# KiCad board CamTracker.kicad_pcb (continued)
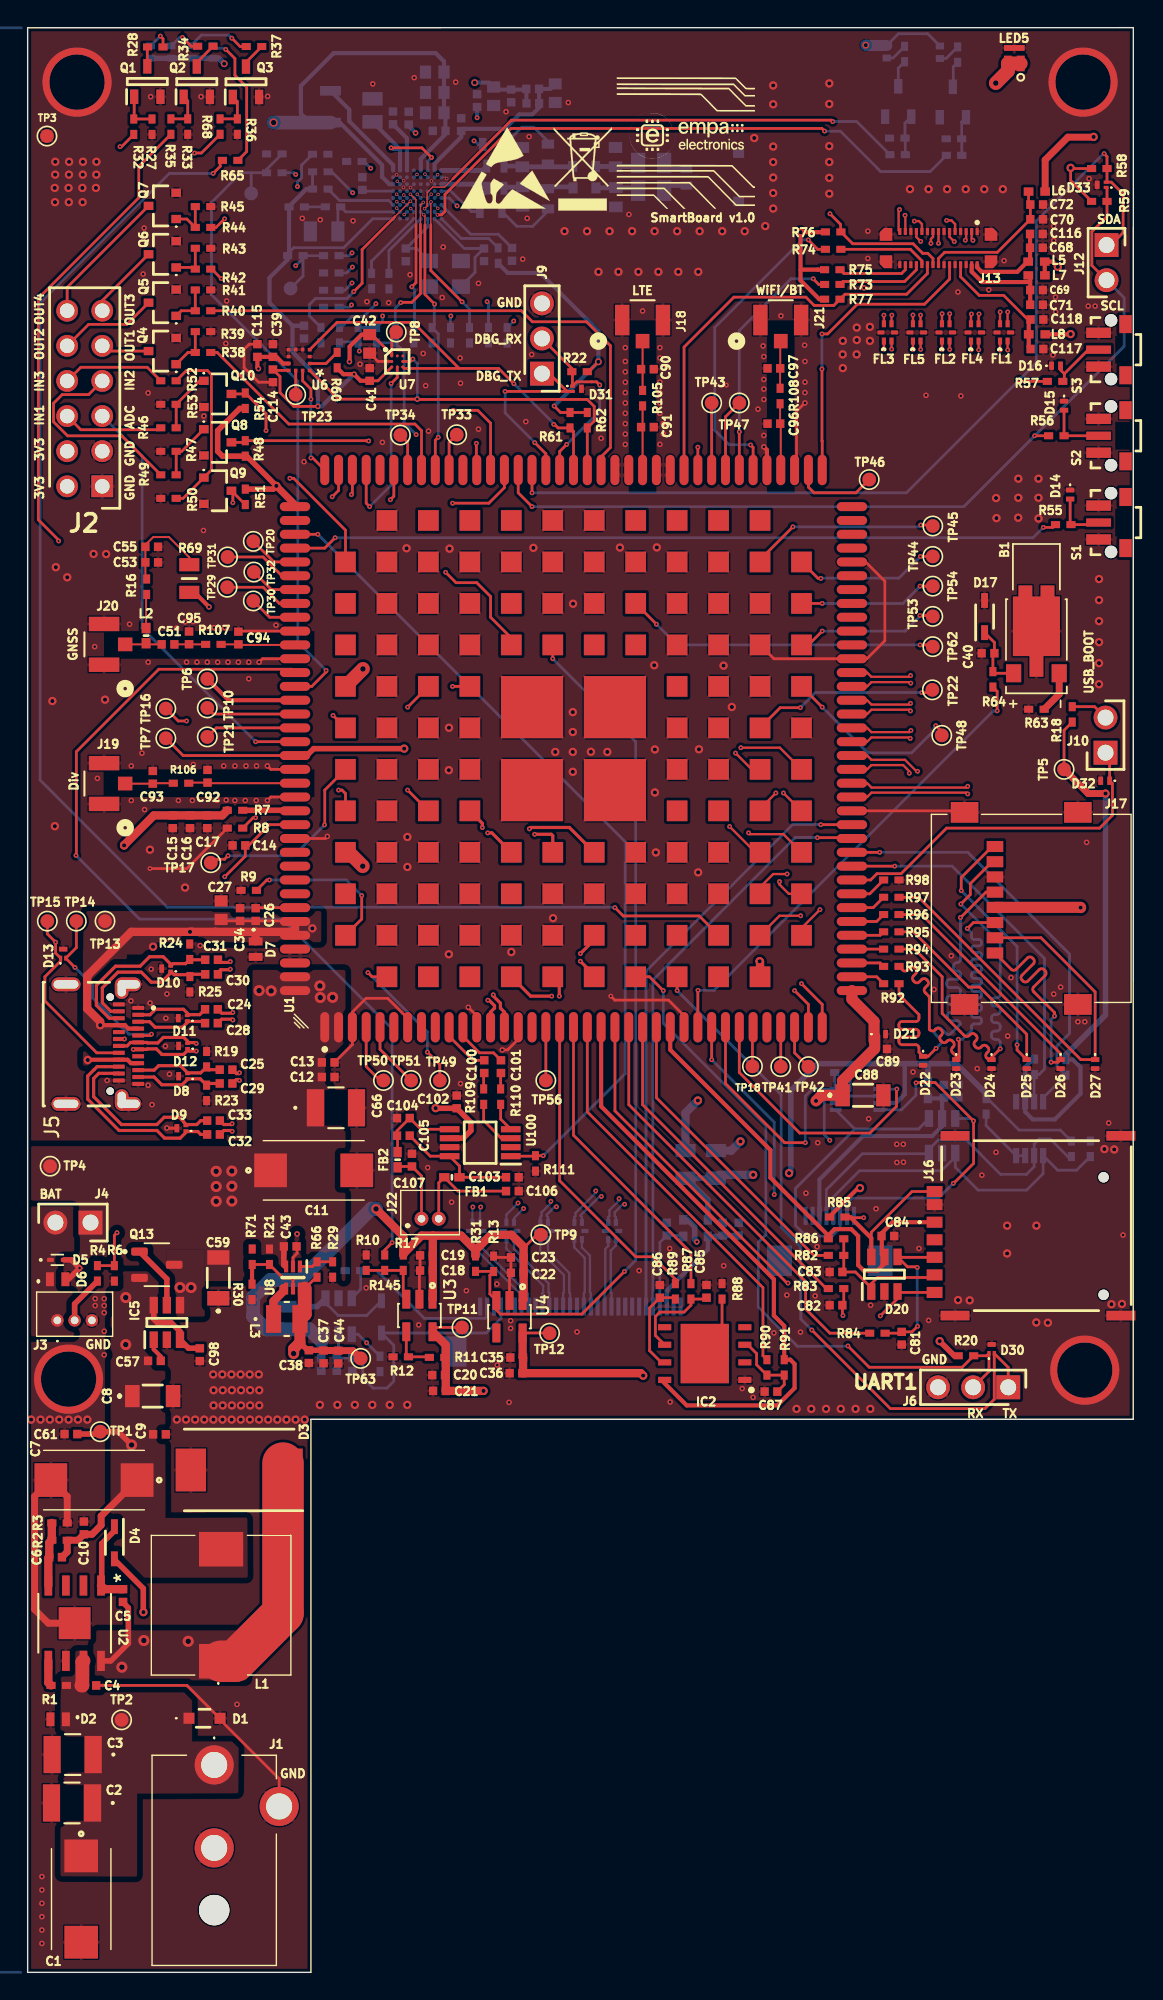
[diagram p0: board, top side]
## Routing (per net, layer and track width the routed paths; a pad name or vN(x,y) marks a point on that pad's centre or on a via; arc(x,y) is an arc through that point) (continued)
/Display/DSI_LN2_P: length 73.1
  Top w0.17: v3(63.89,91.78) 63.8,91.68 61.07,91.68 60.75,92 U1.59
  Signal w0.17: v3(63.89,91.78) 63.98,91.68 67.55,91.68 71.68,87.55 71.68,81.61 arc(71.55,81.27) 71.21,81.13 arc(71.13,81.1) 71.1,81.02 71.1,80.61 arc(71.13,80.53) 71.21,80.5 71.79,80.5 arc(72.13,80.36) 72.27,80.02 72.27,79.61 arc(72.13,79.27) 71.79,79.13 71.21,79.13 arc(71.13,79.1) 71.1,79.02 71.1,78.61 arc(71.13,78.53) 71.21,78.5 71.79,78.5 arc(72.13,78.36) 72.27,78.02 72.27,77.61 arc(72.13,77.27) 71.79,77.13 71.21,77.13 arc(71.13,77.1) 71.1,77.02 71.1,76.61 arc(71.13,76.53) 71.21,76.5 71.79,76.5 arc(72.13,76.36) 72.27,76.02 72.27,75.61 arc(72.13,75.27) 71.79,75.13 arc(71.72,75.1) 71.68,75.02 71.68,73.91 59.08,61.31 46.58,61.31 41.51,56.24 v3(41.51,56.11)
  Bottom w0.165: FL8.2 40.11,54.61 40.03,54.7 40.03,54.76 41.38,56.11 v3(41.51,56.11)
/Display/DSI_LN3_N: length 73
  Top w0.165: v3(63.91,93.23) 63.84,93.31 61.06,93.31 60.75,93 U1.60
  Signal w0.165: v3(42.8,55.95) 42.93,55.95 43.14,56.16 arc(43.19,56.27) 43.14,56.38 arc(43.1,56.49) 43.14,56.6 43.35,56.81 arc(43.46,56.85) 43.56,56.81 arc(43.67,56.76) 43.78,56.81 46.17,59.19 60.42,59.19 73.81,72.58 73.81,74.67
  Signal w0.17: 73.81,74.67 73.81,89.32 69.81,93.32 63.99,93.32 v3(63.91,93.23)
  Bottom w0.165: v3(42.8,55.95) 42.8,55.82 42.1,55.12 42.1,54.7 42.02,54.61 FL7.1
/Display/DSI_LN3_P: length 73.3
  Top w0.165: U1.61 60.75,94 61.06,93.69 63.8,93.69 v3(63.9,93.78)
  Signal w0.17: v3(63.9,93.78) 63.99,93.69 69.96,93.69 74.19,89.46 74.19,72.42 60.58,58.81 46.33,58.81 43.2,55.68 v3(43.2,55.55)
  Bottom w0.165: v3(43.2,55.55) 43.07,55.55 42.49,54.96 42.49,54.7 42.57,54.61 FL7.2
/Display/IOVCC: length 6.6
  Bottom w0.2: J14.27 45.75,52.79 C78.2 47.37,53.29 L11.2
/Display/LED1-: length 13.6
  Bottom w0.2: U9.3 24.1,49.4 R79.1 25.25,50.75 28.7,47.3 33.1,47.3 33.25,47.45 J14.2
/Display/LED+: length 21.4
  Bottom w0.2: J14.4 34.25,47.3 33.19,46.24 D18.1 26.5,45.34 26.5,42.75 26,42.25 25,42.25 24.25,43 24.25,44 23.83,44.42 C74.1 C75.1 22.5,44.54 U9.5
/Display/PWM: length 52.5
  Top w0.2: U1.29 v3(49.5,66)
  Signal w0.2: v3(54.03,56.25) 54.03,53.11 46.45,45.53 v3(24.53,45.53)
  Bottom w0.2: R78.1 v3(24.53,45.53) 23.91,46.15 U9.4 ; v3(49.5,66) 54.03,61.47 v3(54.03,56.25)
/Display/RESET: length 42.3
  Top w0.2: v3(57.15,82.06) 59.59,82.06 U1.49
  Bottom w0.2: J14.26 45.25,71.77 55.56,82.08 57.13,82.08 v3(57.15,82.06)
/Display/TE: length 43.5
  Top w0.2: v3(57.4,83) U1.50
  Bottom w0.2: J14.25 44.75,72.4 55.36,83.01 57.39,83.01 v3(57.4,83)
/Display/TP_INT: length 18.6
  Top w0.2: U1.30 50.5,64.28 54.78,60 v3(56.28,60)
  Bottom w0.2: R81.2 58.41,63.94 IC4.4 56.78,63.88 56.28,63.38 v3(56.28,60)
/Display/TP_RST: length 19.8
  Top w0.2: v3(62.9,63.88) 62.88,63.85 62.88,62.62 60.95,60.7 55.88,60.7 51.5,65.08 U1.31
  Bottom w0.2: v3(62.9,63.88) IC4.5
/Display/TP_SCL: length 27.6
  Top w0.2: v3(62.75,80) U1.47
  Bottom w0.2: 72.84,62.96 72.84,64.9 R149.2 73.19,64.93 73.59,65.33 73.59,73.31 66.9,80 v3(62.75,80)
/Display/TP_SDA: length 30.8
  Top w0.2: v3(61.66,81) U1.48
  Bottom w0.2: IC3.4 73.49,63.25 R148.2 74.48,65.54 74.48,66.98 75.4,67.9 75.4,73.64 68.04,81 v3(61.66,81)
/Display/VCI: length 8.6
  Bottom w0.3: J14.28 46.25,49.3 49.22,52.27 L10.2
  Bottom w0.4: L10.2 50.22,53.22 C76.2 C77.2
/Interfaces/ADC: length 31
  Top w0.2: U1.128 v3(16.5,89)
  Bottom w0.2: J2.5 8.28,109.67 8.28,97.22 v3(16.5,89)
/Interfaces/GPIO_31: length 25.5
  Top w0.2: Q10.3 15.68,114.15 R54.2 17.25,112.72 v3(17.25,111.5) ; U1.97 34.5,107.38 33.38,106.25 v3(30.75,106.25)
  Signal w0.2: v3(17.25,111.5) 21.78,111.5 27.03,106.25 v3(30.75,106.25)
/Interfaces/GPIO_32: length 20.8
  Top w0.2: v3(24.68,110.75) 24.53,110.75 24.51,110.77 R48.2 15.63,110.65 Q8.3 ; v3(32.47,110.58) 32.47,108.68 U1.99
  Signal w0.2: v3(24.68,110.75) 25.93,112 31.05,112 v3(32.47,110.58)
/Interfaces/GPIO_33: length 13.3
  Top w0.2: U1.108 23.5,106.94 v3(23.43,106.87) ; R51.2 Q9.3 14.85,107.05 v3(14.85,106.28)
  Signal w0.2: v3(14.85,106.28) 15.26,105.87 22.43,105.87 v3(23.43,106.87)
/Interfaces/GPIO_103: length 20.4
  Top w0.2: U1.103 28.5,111.5 28.03,111.97 18.9,111.97 13.72,117.15 R38.2
/Interfaces/GPIO_106: length 39.2
  Top w0.2: U1.90 41.5,109.6 42.17,110.28 42.17,117.63 40.44,119.37 36.53,119.37 35.74,120.16 R40.2
/Interfaces/GPIO_107: length 28.3
  Top w0.2: v3(30.8,112.96) 32.58,112.96 33.5,112.04 U1.98 ; R42.2 13.26,123.19 13.31,123.19 v3(14.01,122.49)
  Signal w0.2: v3(14.01,122.49) 14.07,122.49 23.6,112.96 v3(30.8,112.96)
/Interfaces/GPIO_112: length 32.6
  Top w0.2: v3(14.25,126.81) 13.63,126.19 R44.2 ; U1.177 23,104.3 19.25,108.05 v3(18.97,108.05)
  Signal w0.2: v3(18.97,108.05) 18.5,108.05 11.3,115.25 11.3,123.92 14.19,126.82 14.25,126.82 v3(14.25,126.81)
/Interfaces/IN1: length 7.2
  Top w0.2: R46.2 9.49,111.56 3.85,111.56 J2.6
/Interfaces/IN2: length 14.9
  Top w0.2: R49.2 6.81,111.12 2.89,111.12 1.87,112.14 1.87,113.47 2.5,114.1 4.41,114.1 J2.7
/Interfaces/IN3: length 7.6
  Top w0.2: R52.2 8.65,116.08 3.85,116.08 J2.8
/Interfaces/LED1: length 69.3
  Top w0.2: U1.267 v3(30.75,93) ; R32.2 6.8,132.03 v3(6.69,132.03)
  Signal w0.2: v3(30.75,93) 8.82,93 0.79,101.03 0.79,123.13 6.69,129.03 v3(6.69,132.03)
/Interfaces/LED2: length 71.1
  Top w0.2: U1.265 35,96.5 33.5,98 33.5,99.5 32.5,100.5 31,100.5 v3(30.25,101.25) ; 10.35,132.93 10.36,132.93 8.04,130.6 8.04,128.33 0.77,121.06 0.77,105.05 2.24,103.58 v3(2.24,103.52)
  Signal w0.2: v3(2.24,103.52) 4.53,101.23 30.23,101.23 v3(30.25,101.25)
/Interfaces/LED3: length 60.6
  Top w0.2: v3(12.08,131.57) 12.09,131.57 12.58,131.57 13.92,132.93 ; v3(26.25,106.5) 26.5,106.75 U1.105
  Signal w0.2: v3(12.08,131.57) 10.86,131.57 1.65,122.36 1.65,106.7 3.53,104.82 24.57,104.82 v3(26.25,106.5)
/Interfaces/OUT1: length 3.5
  Top w0.2: J2.9 5.78,117.25 Q4.3
/Interfaces/OUT2: length 7.2
  Top w0.2: Q5.3 7.18,119.18 4.41,119.18 J2.10
/Interfaces/OUT3: length 5.5
  Top w0.2: Q6.3 5.4,120.9 J2.11
/Interfaces/OUT4: length 10
  Top w0.2: Q7.3 2.86,121.86 J2.12
/Interfaces/PWRKEY: length 55.7
  Top w0.2: v3(22.25,103.75) 21.5,103 U1.114 ; v3(73.5,104.5) 74.18,104.5 R55.1
  Bottom w0.2: v3(22.25,103.75) 72.75,103.75 v3(73.5,104.5)
/Interfaces/VOL_DOWN/I2C_SCL: length 64.7
  Top w0.2: U1.96 35.5,107 v3(36.5,106) ; D33.1 78.11,129.02 R59.2 78.11,126.98 77.01,125.89 77.01,123.44 J12.2 ; v3(72.88,111.12) R56.1
  Bottom w0.2: v3(36.5,106) 67.75,106 v3(72.88,111.12) 79.35,117.6 79.35,121.1 J12.2
/Interfaces/VOL_UP/I2C_SDA : length 69
  Top w0.2: 78.38,124.92 79.28,125.81 79.28,128.61 78.42,129.47 D33.2 78.11,129.53 R58.2 78.11,131.32 v3(77.9,131.53) ; R57.1 71.85,115.06 v3(71.75,115.16) ; v3(36.5,107) U1.95
  Bottom w0.2: 77.82,131.5 72.99,126.66 72.99,116.4 v3(71.75,115.16) 63.59,107 v3(36.5,107)
/NFC_PN7220/I2C2_IRQ: length 5
  Bottom w0.2: R144.2 33.36,125.4 31.37,125.4 IC1.H8
/NFC_PN7220/I2C2_SCL: length 6.2
  Signal w0.2: v3(23.53,128.7) 26.06,128.7 v5(26.71,128.06)
  Bottom w0.1: 26.94,127.82 v5(26.71,128.06)
  Bottom w0.2: v3(23.53,128.7) 22.01,130.22 R142.2 ; IC1.B6 26.94,127.82
/NFC_PN7220/I2C2_SDA: length 5.2
  Bottom w0.2: R125.2 22.56,128.14 26.13,128.14 IC1.A6
/NFC_PN7220/I2C2_WAKEUP: length 10
  Signal w0.2: v3(23.44,120.59) 27.72,124.87 v5(27.72,127.56)
  Bottom w0.1: 27.95,127.33 v5(27.72,127.56)
  Bottom w0.2: v3(23.44,120.59) 23.28,120.42 R124.1 ; IC1.D7 27.95,127.33
/NFC_PN7220/NFC_DWL_REQ: length 1.5
  Bottom w0.2: R121.2 21.53,127.67 R123.1
/NFC_PN7220/NFC_LED1: length 42.2
  Top w0.2: v3(57.67,133.16) 57.48,133.35 34.97,133.35 30.2,128.57 30.2,127.34 29.96,127.1 v5(29.65,127.1)
  Bottom w0.1: IC1.G7 29.45,127.3 v5(29.65,127.1)
  Bottom w0.2: v3(57.67,133.16) 57.68,133.15 58.81,133.15 61.73,130.23 65.3,130.23 R70.2
/NFC_PN7220/NFC_LED2: length 38.3
  Top w0.1: 30.77,129.71 30.17,129.11 29.3,129.11 28.91,128.72 28.91,127.73 v5(28.72,127.55)
  Top w0.2: 30.77,129.71 35.01,133.95 58.16,133.95 v3(58.26,133.85)
  Bottom w0.1: IC1.F7 28.95,127.33 v5(28.72,127.55)
  Bottom w0.2: v3(58.26,133.85) 59.99,133.85 R118.2
/Power/ANODE: length 18.6
  Top w0.4: v6(7.52,38.14) 6.56,39.1 TP1.1 5.08,38.93 C61.1 ; C98.1 12.45,45.13 11.64,45.13 IC5.3 11.03,46.35 10.4,46.97 9.4,46.97 9.12,47.25 IC5.6
  Top w0.5: C6.1 2.87,30.41 R2.1 3.64,31.25 C10.1 4.66,31.68 5.32,32.34 5.32,33 C7.1
  vias: v6(7.1,48.8) v6(7.1,45.4)
/Power/BAT_THERM: length 39.8
  Top w0.2: v3(6.47,53.49) 6.28,53.3 R6.1 R4.2 ; U1.134 17.5,83 16,81.5 C14.2 15.75,80.72 v3(14.27,79.23)
  Signal w0.2: v3(6.47,53.49) 10.75,57.77 10.75,75.75 14.23,79.23 v3(14.27,79.23)
/SIM_SD/SD_LDO4: length 2.8
  Top w0.2: U1.32 52.45,68.3 TP18.1
/SIM_SD/USIM1_DET: length 44.1
  Top w0.2: 65.6,56.5 J16.CD1 64,56.47 61.05,53.52 D20.6 ; v3(55.03,49.85) 54.95,49.85 42.5,62.3 U1.22 ; R85.2 59.2,54.58 v3(60.5,54.58)
  Top w0.3: R85.2 59.53,54.62 61.05,53.1 D20.6
  Signal w0.2: v3(60.5,54.58) 55.78,49.85 v3(55.03,49.85)
/SIM_SD/USIM1_VDD: length 33.7
  Top w0.3: J16.C1 62.6,54.25 61.79,53.44 C84.1 61.81,53.23 61.81,51.93 D20.5 62,51.25 61.5,50.75 60.5,50.75 60.1,51.15 60.1,53.25 59.6,53.75 58.4,53.75 57.94,53.29 R86.1 57.94,53.28 53.75,57.47 53.75,59.47 46.5,66.72 U1.26
/SIM_SD/USIM2_CLK: length 22.1
  Top w0.2: U1.19 39.5,60.54 48,52.04 R87.2
/SIM_SD/USIM2_DATA: length 29.4
  Top w0.2: U1.20 40.5,62.23 53.21,49.52 53.21,44.6 R90.2
/SIM_SD/USIM2_RST: length 22.7
  Top w0.2: R89.2 46.88,50.12 45.25,51.75 44,51.75 38.5,57.25 U1.18
/SIM_SD/USIM2_VDD: length 43.1
  Top w0.3: 45.85,42.84 47.69,41 54.25,41 55.5,42.25 55.5,44 55.19,44.31 R91.2 54.75,46.75 54,47.5 54,50.12 41.5,62.62 U1.21
/USB_UARTs/CC1: length 44.5
  Top w0.2: v3(3.42,72.67) 2.77,73.33 D13.2 3.52,74.11 TP14.1 ; v3(8.96,67.85) 8.86,67.75 J5.A5 ; U1.249 v3(27.5,85.5)
  Signal w0.2: v3(27.5,85.5) 23.58,81.58 12.33,81.58 v3(3.42,72.67)
  Bottom w0.2: v3(3.42,72.67) 4.7,71.4 4.7,70.47 7.33,67.85 8.96,67.85 v3(8.96,67.85)
/USB_UARTs/CC2: length 51.7
  Top w0.2: TP15.1 1.42,75.1 v3(2.02,74.5) 2.02,73.71 2.38,73.35 2.38,73.14 1.25,72 1.25,70.25 5,66.5 J5.B5 ; U1.246 v3(27.5,91.5)
  Signal w0.2: v3(2.02,74.5) 2.02,80.5 9.61,88.09 24.09,88.09 v3(27.5,91.5)
/USB_UARTs/USB_D_N: length 33.9
  Top w0.23: 8.55,66.75 v3(7.64,66.75) ; v3(7.64,66.75) J5.A7 ; v3(7.64,66.75) 8.64,66.75 8.67,66.79 9.31,66.79 9.72,66.38 11.28,66.38 11.58,66.67 11.58,66.76 11.71,66.62 v3(12.2,66.62) ; v3(7.01,67.5) 6.6,67.5 J5.B7 ; U1.13 33.5,69.45 33.79,69.74 33.79,69.91 33.39,70.31 v3(33.31,70.31)
  Signal w0.23: v3(12.2,66.62) 12.26,66.69 12.55,66.69 arc(12.72,66.61) 12.79,66.45 12.79,66.41 arc(12.86,66.24) 13.03,66.17 13.15,66.17 arc(13.32,66.24) 13.39,66.41 13.39,66.45 arc(13.46,66.61) 13.63,66.69 24.39,66.69 28.69,70.99 32.71,70.99 33.31,70.39 v3(33.31,70.31) ; v3(7.64,66.75) 7.64,66.76 7.01,67.39 v3(7.01,67.5)
/USB_UARTs/USB_D_P: length 32.4
  Top w0.23: v3(33.69,70.69) 33.69,70.61 34.21,70.09 34.21,69.74 34.5,69.45 U1.14 ; v3(12.2,67.17) 12.14,67.24 11.58,67.24 11.58,67.34 11.3,67.61 9.81,67.61 9.41,67.21 8.67,67.21 8.64,67.25 J5.A6 7.45,67.25 7.2,67 J5.B6
  Signal w0.23: v3(12.2,67.17) 12.26,67.11 24.21,67.11 28.51,71.41 32.89,71.41 33.61,70.69 v3(33.69,70.69)
/USB_UARTs/USB_SS1_RX_N: length 25.8
  Top w0.23: 13.76,73.35 13.76,73.24 13.96,73.04 14.6,73.04 v3(14.66,73.1) ; U1.270 32.91,83.09 v3(32.91,82.79)
  Signal w0.23: v3(32.91,82.79) 32.91,82.71 23.23,73.04 19.29,73.04 arc(18.9,72.88) 18.74,72.49 arc(18.7,72.41) 18.62,72.37 18.29,72.37 arc(18.2,72.41) 18.17,72.49 arc(18.01,72.88) 17.62,73.04 14.72,73.04 v3(14.66,73.1)
/USB_UARTs/USB_SS1_RX_P: length 27
  Top w0.23: v3(14.66,72.55) 14.62,72.51 13.97,72.51 13.76,72.3 ; v3(33.29,82.41) 33.59,82.41 U1.252
  Signal w0.23: v3(14.66,72.55) 14.72,72.61 14.83,72.61 arc(14.91,72.57) 14.94,72.49 arc(14.97,72.41) 15.06,72.38 15.43,72.38 arc(15.51,72.41) 15.54,72.49 arc(15.57,72.57) 15.66,72.61 17.62,72.61 arc(17.7,72.57) 17.74,72.49 arc(17.9,72.1) 18.29,71.94 18.62,71.94 arc(19.01,72.1) 19.17,72.49 arc(19.2,72.57) 19.29,72.61 23.41,72.61 33.21,82.41 v3(33.29,82.41)
/USB_UARTs/USB_SS1_TX_N: length 33.6
  Top w0.23: U1.253 38,82.2 37.89,82.31 v3(36.69,82.31) ; C28.1 14.05,68.93 14.79,68.93 v3(14.85,68.87)
  Signal w0.23: v3(36.69,82.31) 36.61,82.31 23.24,68.93 19.91,68.93 arc(19.74,68.86) 19.67,68.69 19.67,68.66 arc(19.6,68.49) 19.43,68.42 19.31,68.42 arc(19.14,68.49) 19.07,68.66 19.07,68.69 arc(19,68.86) 18.83,68.93 18.71,68.93 arc(18.54,68.86) 18.47,68.69 18.47,68.66 arc(18.4,68.49) 18.23,68.42 18.11,68.42 arc(17.94,68.49) 17.87,68.66 17.87,68.69 arc(17.8,68.86) 17.63,68.93 17.51,68.93 arc(17.34,68.86) 17.27,68.69 17.27,68.66 arc(17.2,68.49) 17.03,68.42 16.91,68.42 arc(16.74,68.49) 16.67,68.66 16.67,68.69 arc(16.6,68.86) 16.43,68.93 16.31,68.93 arc(16.14,68.86) 16.07,68.69 16.07,68.66 arc(16,68.49) 15.83,68.42 15.71,68.42 arc(15.54,68.49) 15.47,68.66 15.47,68.69 arc(15.4,68.86) 15.23,68.93 14.91,68.93 v3(14.85,68.87)
/USB_UARTs/USB_SS1_TX_P: length 33.8
  Top w0.23: C24.1 14.05,69.36 14.79,69.36 v3(14.85,69.42) ; U1.254 39.2,82.8 36.41,82.8 v3(36.31,82.69)
  Signal w0.23: v3(36.31,82.69) 36.31,82.61 23.06,69.36 14.91,69.36 v3(14.85,69.42)
/USB_UARTs/USB_SS2_RX_N: length 39.2
  Top w0.23: C25.1 15.1,65 15.27,65 v3(15.33,65.06) ; U1.192 41,74.67 v3(40,73.67)
  Signal w0.23: v3(15.33,65.06) 15.39,65 15.74,65 15.76,65.02 17.1,65.02 arc(17.64,64.79) 17.86,64.26 17.86,63.81 arc(17.96,63.58) 18.19,63.48 18.46,63.48 arc(18.7,63.58) 18.79,63.81 18.79,64.26 arc(19.02,64.79) 19.55,65.02 19.82,65.02 arc(20.36,64.79) 20.58,64.26 20.58,63.81 arc(20.68,63.58) 20.91,63.48 21.18,63.48 arc(21.42,63.58) 21.51,63.81 21.51,64.26 arc(21.74,64.79) 22.27,65.02 22.54,65.02 arc(23.08,64.79) 23.3,64.26 23.3,63.81 arc(23.4,63.58) 23.63,63.48 23.9,63.48 arc(24.14,63.58) 24.23,63.81 24.23,64.26 arc(24.46,64.79) 24.99,65.02 25.26,65.02 arc(25.8,64.79) 26.02,64.26 26.02,63.81 arc(26.12,63.58) 26.35,63.48 26.62,63.48 arc(26.86,63.58) 26.95,63.81 26.95,64.26 arc(27.18,64.79) 27.71,65.02 29.81,65.02 38.41,73.61 39.94,73.61 v3(40,73.67)
/USB_UARTs/USB_SS2_RX_P: length 39
  Top w0.23: v3(15.33,64.51) 15.27,64.57 15.1,64.57 C29.1 ; U1.152 41,72.12 v3(40,73.12)
  Signal w0.23: v3(40,73.12) 39.94,73.18 38.59,73.18 29.99,64.58 27.71,64.58 arc(27.48,64.49) 27.38,64.26 27.38,63.81 arc(27.16,63.27) 26.62,63.05 26.35,63.05 arc(25.82,63.27) 25.59,63.81 25.59,64.26 arc(25.5,64.49) 25.26,64.58 24.99,64.58 arc(24.76,64.49) 24.66,64.26 24.66,63.81 arc(24.44,63.27) 23.9,63.05 23.63,63.05 arc(23.1,63.27) 22.87,63.81 22.87,64.26 arc(22.78,64.49) 22.54,64.58 22.27,64.58 arc(22.04,64.49) 21.94,64.26 21.94,63.81 arc(21.72,63.27) 21.18,63.05 20.91,63.05 arc(20.38,63.27) 20.15,63.81 20.15,64.26 arc(20.06,64.49) 19.82,64.58 19.55,64.58 arc(19.32,64.49) 19.22,64.26 19.22,63.81 arc(19,63.27) 18.46,63.05 18.19,63.05 arc(17.66,63.27) 17.43,63.81 17.43,64.26 arc(17.34,64.49) 17.1,64.58 15.94,64.58 15.92,64.57 15.39,64.57 v3(15.33,64.51)
/USB_UARTs/USB_SS2_TX_N: length 31.5
  Top w0.23: v3(38.47,70.6) 38.47,71.53 U1.151 ; v3(14.8,60.82) 14.74,60.88 14.2,60.88 C32.2
  Signal w0.23: v3(38.47,70.6) 38.41,70.54 38.41,68.61 30.69,60.88 14.86,60.88 v3(14.8,60.82)
/USB_UARTs/USB_SS2_TX_P: length 32.7
  Top w0.23: v3(14.8,61.37) 14.74,61.31 14.2,61.31 C33.2 ; v3(37.92,70.6) 36.4,70.6 U1.150
  Signal w0.23: v3(37.92,70.6) 37.99,70.54 37.99,68.79 30.51,61.31 14.86,61.31 v3(14.8,61.37)
/USB_UARTs/USB_SS_RX1_N: length 12.7
  Top w0.23: C31.1 11.75,73.23 R24.2 11.43,72.95 10.52,72.95 D10.2 10.35,72.91 9.81,73.45 8.83,73.45 8.14,72.76 6.36,72.76 4.98,71.38 4.98,69.94 5.91,69 J5.B10
/USB_UARTs/USB_SS_RX1_P: length 11.3
  Top w0.23: C30.1 11.9,72.18 R25.2 11.61,72.15 10.6,72.15 10.4,72.35 10.32,72.35 10.32,72.25 9.68,71.61 8.95,71.61 8.23,72.33 6.54,72.33 5.41,71.2 5.41,70.11 6.02,69.5 J5.B11
/USB_UARTs/USB_SS_RX2_N: length 6.5
  Top w0.23: C25.2 13.15,65.28 R19.1 12.52,65.05 11.58,65.05 11.06,65.57 9.48,65.57 9.16,65.25 J5.A10
/USB_UARTs/USB_SS_RX2_P: length 6.5
  Top w0.23: J5.A11 9.15,64.75 9.71,64.19 11.17,64.19 11.58,64.59 ; C29.2 13.08,64.28 R23.1 12.49,64.62 D8.1
/USB_UARTs/USB_SS_TX1_N: length 5.3
  Top w0.23: J5.A3 8.83,68.75 9.22,68.35 11.21,68.35 11.55,68.69 11.55,68.77 12.72,68.77 C28.2
/USB_UARTs/USB_SS_TX1_P: length 5.3
  Top w0.23: J5.A2 8.85,69.25 9.25,69.65 11.28,69.65 11.67,69.26 12.45,69.26 C24.2
/USB_UARTs/USB_SS_TX2_N: length 14.3
  Top w0.23: C32.1 12.52,60.6 12.32,60.81 11.52,60.81 11.04,60.33 9.91,60.33 9.36,60.88 6.61,60.88 4.35,63.15 4.35,64.82 4.81,65.28 4.81,65.28 5.02,65.5 J5.B3
/USB_UARTs/USB_SS_TX2_P: length 12.9
  Top w0.23: J5.B2 6.58,65.02 5.15,65.02 4.77,64.64 4.77,63.33 6.79,61.31 9.35,61.31 9.88,61.84 10.96,61.84 11.29,61.51 11.29,61.5 11.48,61.31 12.24,61.31 12.52,61.6 C33.1
ACCL_INT: length 7.9
  Top w0.2: v3(20.5,109.52) 20.63,109.52 U1.110 ; U6.12 19.9,115.1 20.5,114.5 v3(20.5,113.78)
  Bottom w0.2: v3(20.5,113.78) v3(20.5,109.52)
AUDIO_EN: length 60.6
  Top w0.2: v3(21,104) U1.113 ; U100.1 36.72,59.03 ; v3(37.31,59.06) R111.1
  Bottom w0.2: v3(21,104) 43.24,81.76 43.24,64.99 v3(37.31,59.06)
CAM0_1V1_EN: length 63.2
  Top w0.2: R31.2 33.71,50.69 R13.1 33.45,50.41 33.45,49.06 U4.3 33.92,47.91 34.22,47.6 40.1,47.6 v3(43.19,50.69) ; U1.264 v3(38,95)
  Bottom w0.2: v3(38,95) 44,89 44,51.5 v3(43.19,50.69)
CHG_LED: length 106.1
  Top w0.2: v3(42.5,77) 43.1,76.4 48.6,76.4 U1.195 ; v3(13.42,130.1) 13.94,130.61 13.94,131.03 13.94,131.04 R65.2
  Bottom w0.2: v3(13.42,130.1) 10.26,130.1 0.9,120.74 0.9,86.23 10.1,77.03 42.38,77.03 42.46,76.95 42.48,76.95 42.53,77 v3(42.5,77)
Flash LED: length 70.7
  Top w1: LED5.1 LED5.2 70.94,137.51 v6(70.06,136.63) ; v6(24.26,94.26) U1.180
  PWR w1: v6(24.26,94.26) 27.42,97.42 35.19,97.42 47.23,109.47 47.23,114.31 49.63,116.71 49.63,116.71 68.51,135.59 69.02,135.59 v6(70.06,136.63)
LCM_VCC: length 48
  PWR w0.4: v2(55.1,57.8) 55.1,57.78 55,57.67 v2(52.5,57.67)
  Bottom w0.2: R26.1 69.47,63.19 71.75,60.91 74.74,60.91 R152.1 R151.1
  Bottom w0.3: IC4.7 62.85,62.88 63.47,63.5 63.47,65.72
  Bottom w0.4: R15.2 R14.2 47.66,57.43 49.22,55.87 L10.1 ; L12.1 65.15,65.71 65.16,65.72 ; R26.1 69.36,63.55 67.19,65.72 65.16,65.72 ; 65.16,65.72 57.18,65.72 55.22,63.77 55.22,57.92 v2(55.1,57.8)
  Bottom w0.6: v2(52.5,57.67) 50.05,57.67 R15.2
LCM_VCC_EN: length 70.5
  Top w0.2: v3(3.5,80.78) 3.52,80.8 3.52,88.28 9.49,94.24 19.11,94.24 U1.123 ; R145.2 25.84,52.24 v3(26.38,52.78)
  Bottom w0.2: v3(26.38,52.78) 26.38,68.22 18.42,76.17 8.1,76.17 v3(3.5,80.78)
LDO15A_1V8: length 404.5
  Top w0.2: R59.1 75.47,129.59 v2(75.47,130.5) 75.53,130.45 R58.1 ; C41.1 25.35,115.1 U7.C1 ; 75.46,118.46 v2(75.47,118.48) ; v1(21,113.25) 19.26,113.25 18.26,114.25 18.26,115.41 C114.1 ; R62.2 R61.2 38.57,112.81 v3(38.1,113.28) ; R18.2 75,89.83 TP5.1 ; R22.1 40.58,115.76 v7(41.3,116.47) ; U6.10 17.82,115.85
  Top w0.3: 55.93,123.14 57.18,123.14 57.18,123.14 R75.1 ; R60.2 22.4,116.03 22.85,115.58 v1(23.62,115.58) 24.1,115.1 C41.1 ; v2(60.23,56.72) 60.09,56.72 58.03,54.66 R85.1 ; R76.2 57.71,125.85 v2(55.93,125.85) 55.93,122.36 57.29,121 R77.2 ; L8.2 75.46,118.46 ; v7(41.3,116.47) 41.28,116.49
  Top w0.4: R20.1 67.06,44.59 v2(66,45.65) ; R54.1 15.35,113.1 13.75,111.5 13.75,110 14.1,109.65 R48.1 15.85,109.65 v2(18,107.5) 17.77,107.27 R51.1
  Top w0.5: v2(18,107.5) 18,107.49 19.35,106.14 U1.111 ; TP5.1 76.75,85.25 v2(78,85.25)
  PWR w0.2: v3(25.69,119.79) 24.92,119.79 21,115.87 v1(21,113.25)
  PWR w0.3: v2(55.93,125.85) 55.18,126.6 56.08,127.5 ; 56.08,127.5 56.08,137.75 ; 56.08,127.5 47.78,119.2 44.05,119.2 41.33,116.47 v7(41.3,116.47)
  PWR w0.4: v3(58.05,60.17) 58.04,60.17 58.04,58.91 v2(60.23,56.72) 56.32,52.81 48.44,52.81 v1(48.42,52.83)
  PWR w0.5: v2(78,85.25) 78,64.9 66,52.9 ; v2(78,85.25) 75.47,87.78 v2(75.47,118.48) v2(75.47,130.5) 75.47,132.95 ; v2(78,85.25) 77.63,85.25 ; v2(66,45.65) 66,52.9 ; 66,52.9 62.19,56.71 60.24,56.71 v2(60.23,56.72) ; 18,108.49 18.08,108.57 18.08,132.03 23.8,137.75 70.7,137.75 75.45,133 ; 18,108.49 v2(18,107.5) ; 18,108.49 21,111.49 v1(21,113.25)
  Bottom w0.2: R81.1 59.53,63.8 59.1,63.38 IC4.3 ; v3(25.69,119.79) 25.69,119.38 25.61,119.3 25.6,119.3 R128.2 R127.2 ; IC1.A8 24.97,126.82 22.88,124.73 19.26,124.73 18.92,124.38 ; R125.1 R142.1 ; IC4.3 57.85,63.38 57.65,63.17 57.65,60.58 v3(58.05,60.17) ; IC4.3 IC4.6
  Bottom w0.3: v3(38.1,113.28) v7(41.3,116.47) 41.3,118.7 37.1,122.9 34.74,122.9 R144.1 ; R148.1 75.64,66.01 76.19,65.45 76.19,63.54 74.33,61.68 72.74,61.68 72.19,62.23 IC3.2 72.19,65.47 72.76,66.05 R149.1 ; C113.1 19.17,119.09 ; 19.17,119.09 17.5,120.75 17.5,122.55 18.82,123.87 R141.1 18.82,124.28 18.92,124.38 R123.2 18.92,127.71 20.17,128.97 R125.1 ; 19.17,119.09 19.17,117.19 21,115.35 v1(21,113.25) 21.28,113.25 23.6,115.58 v1(23.62,115.58)
  Bottom w0.4: R148.1 75.13,66.37 78,69.24 v2(78,85.25) ; v1(48.42,52.83) 48.27,52.98 48.27,53.9 47.75,54.42 L11.1
LDO17A_3V0: length 107.8
  Top w0.2: 26.35,117 26.35,118.85 26.5,119 ; 26.35,117 24.91,118.44 ; 26.35,117 U7.A1
  Top w0.3: v1(16.7,115.98) 16.62,116.06 C115.1 C39.1 18.01,116.83 18.49,116.35 U6.9 ; C42.2 24.17,118.44 23.3,117.58 23.3,116.5 v1(23.29,116.49)
  Top w0.6: U1.156 53,73.09 v2(52.97,73.12)
  PWR w0.3: 16.7,106.22 19.97,106.22 22.68,108.93 22.68,115.88 v1(23.29,116.49)
  PWR w0.4: v1(16.7,115.98) 16.7,97.61 35.08,79.23 46.87,79.23 52.72,73.38 52.72,73.37 v2(52.97,73.12)
  PWR w0.6: v2(51.58,60.09) 53.98,62.49 53.98,72.11 v2(52.97,73.12)
  Bottom w0.6: R15.1 50.92,59.43 v2(51.58,60.09)
LDO_IOVDD: length 7
  Top w0.3: U1.125 14.54,92 TP6.1
MAG_INT: length 13.7
  Top w0.2: v3(26.3,114.9) 26.75,115.35 U7.C2 ; U1.107 24.5,106.25 v3(24.75,106)
  Bottom w0.2: v3(26.3,114.9) 26.3,107.55 v3(24.75,106)
NFC_I2C_SCL: length 70.2
  Top w0.2: U1.37 57.5,70 v3(56,71.5)
  Signal w0.2: v3(24,117.25) 24,117.25 24.45,117.7 29.4,117.7 34.25,112.85 34.25,90.45 52.9,71.8 55.8,71.8 56,71.6 v3(56,71.5)
  Bottom w0.2: 22.55,117.92 23.86,117.92 ; v3(24,117.25) 24,117.75 R127.1
NFC_I2C_SDA: length 65
  Top w0.2: U1.36 56.5,70 v3(55.5,71)
  Signal w0.2: v3(55.5,71) 52.5,71 33.3,90.2 33.3,106.02 v3(28.11,111.21)
  Bottom w0.2: v3(28.11,111.21) 27.24,112.09 27.24,117.21 R116.2 R128.1
NFC_IRQ: length 34.5
  Top w0.2: v3(22.04,106.71) 22.5,107.17 U1.109
  Signal w0.2: v3(22.04,106.71) 21.29,106.71 12.64,115.36 12.64,122.39 13.67,123.42 v3(19.4,123.42)
  Bottom w0.2: R141.2 19.93,122.68 TP25.1 ; R141.2 R131.2 ; R141.2 19.93,123.96 v3(19.4,123.42)
NFC_MODE: length 19.5
  Top w0.1: 28.75,126.38 28.75,127.03 v5(28.67,127.11)
  Top w0.2: v3(29.72,111.02) 29.5,110.8 U1.102 ; 28.75,126.38 28.75,121.35 v3(29.45,120.65)
  Bottom w0.1: v5(28.67,127.11) 28.46,127.32 IC1.E7
  Bottom w0.2: v3(29.45,120.65) 29.42,120.62 29.42,119.12 R120.2 29.72,118.5 v3(29.72,111.02) 29.67,111.02
NFC_VEN: length 48.3
  Top w0.2: v3(21.6,94.15) 21.6,94.04 20.56,93 U1.124
  Bottom w0.2: 16.2,130.15 R126.2 17.29,130.39 R122.1 ; 16.2,130.15 15.44,130.15 13.3,128 13.3,121.33 19.55,115.08 19.55,96.2 v3(21.6,94.15) ; 16.2,130.15 16.17,130.12 TP24.1
Sensor_I2C_SCL: length 30.3
  Top w0.2: U7.B3 27.7,116.5 v3(27.88,116.67) ; 39.25,113.75 28.22,113.75 v1(28.2,113.78) 22.49,113.78 U6.1 ; 39.29,113.75 40.5,113.75 41,113.25 41,112.19 R62.1 U1.91
  Bottom w0.2: v3(27.88,116.67) 28.2,116.35 v1(28.2,113.78)
Sensor_I2C_SDA: length 30.1
  Top w0.2: v3(35.19,114.89) 34.08,116 31.22,116 ; 31.22,116 27.89,119.33 22.39,119.33 U6.4 ; 31.22,116 27.25,116 U7.C3 ; v3(38.08,111.95) 38.12,111.95 38.38,111.69 R61.1 39.5,111.44 U1.92
  Bottom w0.2: v3(38.08,111.95) 38.08,112 v3(35.19,114.89)
SPI_MISO: length 18
  Top w0.2: v3(51.5,111.41) U1.80 ; R73.2 57.25,122.07 56.85,122.47 v3(56.85,122.48)
  Bottom w0.2: v3(56.85,122.48) 55.24,122.48 51.5,118.74 v3(51.5,111.41)
VIB_DRV_P: length 34.5
  Top w0.2: v3(70.16,91.23) 70.16,92.64 R64.2 ; v3(48.51,71.02) 48.5,71.01 U1.28
  Bottom w0.2: v3(70.16,91.23) 70.15,91.22 69.87,91.22 49.67,71.02 v3(48.51,71.02)
VPH_PWR: length 82.5
  Top w0.2: TP9.1 36.85,53.34 35.98,52.47 35.89,52.47
  Top w0.4: v2(29.53,62.5) 29.53,62.49 C102.1 32.08,61.47 32.08,60.88 31.53,60.33 U100.6
  Top w0.6: U3.1 29.32,48.7 C18.1 C19.1 29.32,53.28 ; 29.32,53.28 31.37,53.28 32.41,52.24 R31.1 32.41,52.22 33.54,53.35 33.55,53.34 35.02,53.34 35.89,52.47 C23.1 C22.1 35.89,48.66 U4.1 ; 29.32,53.28 28.5,53.28 27.18,51.96 R17.1 27.18,53.25 v8(25.21,55.21) ; U1.184 23.25,81
  Top w1: 23.25,81 v9(24.25,80)
  PWR w0.4: v2(29.53,62.5) 27.92,62.5 27.5,62.08
  PWR w1: v9(24.25,80) 27.5,76.75 27.5,57.5 v8(25.21,55.21)
  Bottom w0.4: C73.1 21.25,45.85 U9.6
  Bottom w1: v8(25.21,55.21) 25.2,55.22 24.88,55.22 19.72,50.07 17.56,50.07 16.32,48.83 16.32,47.44 17.26,46.5 L9.1 20.39,46.5 21.25,45.64
VREG_1V1: length 138.7
  Top w0.2: TP12.1 37.75,46.24 U4.5
  Top w0.5: L6.2 73.63,131.07 75.28,132.72 77.12,132.72 v2(77.14,132.74)
  Top w0.6: v2(44.54,43.16) 44.37,43.33 C36.1 35.85,43.38 C35.1 35.82,44.49 U4.5
  PWR w0.5: v2(77.14,132.74) 78.58,132.74 79.5,131.82 79.5,56.5 67.22,44.22 45.6,44.22 v2(44.54,43.16)
VREG_3V3: length 99.1
  Top w0.2: TP11.1 29.61,46.64 U3.5